# Allegro board Try it by yourself - iMX6Rex module - DIFF Pair activities.brd (continued)
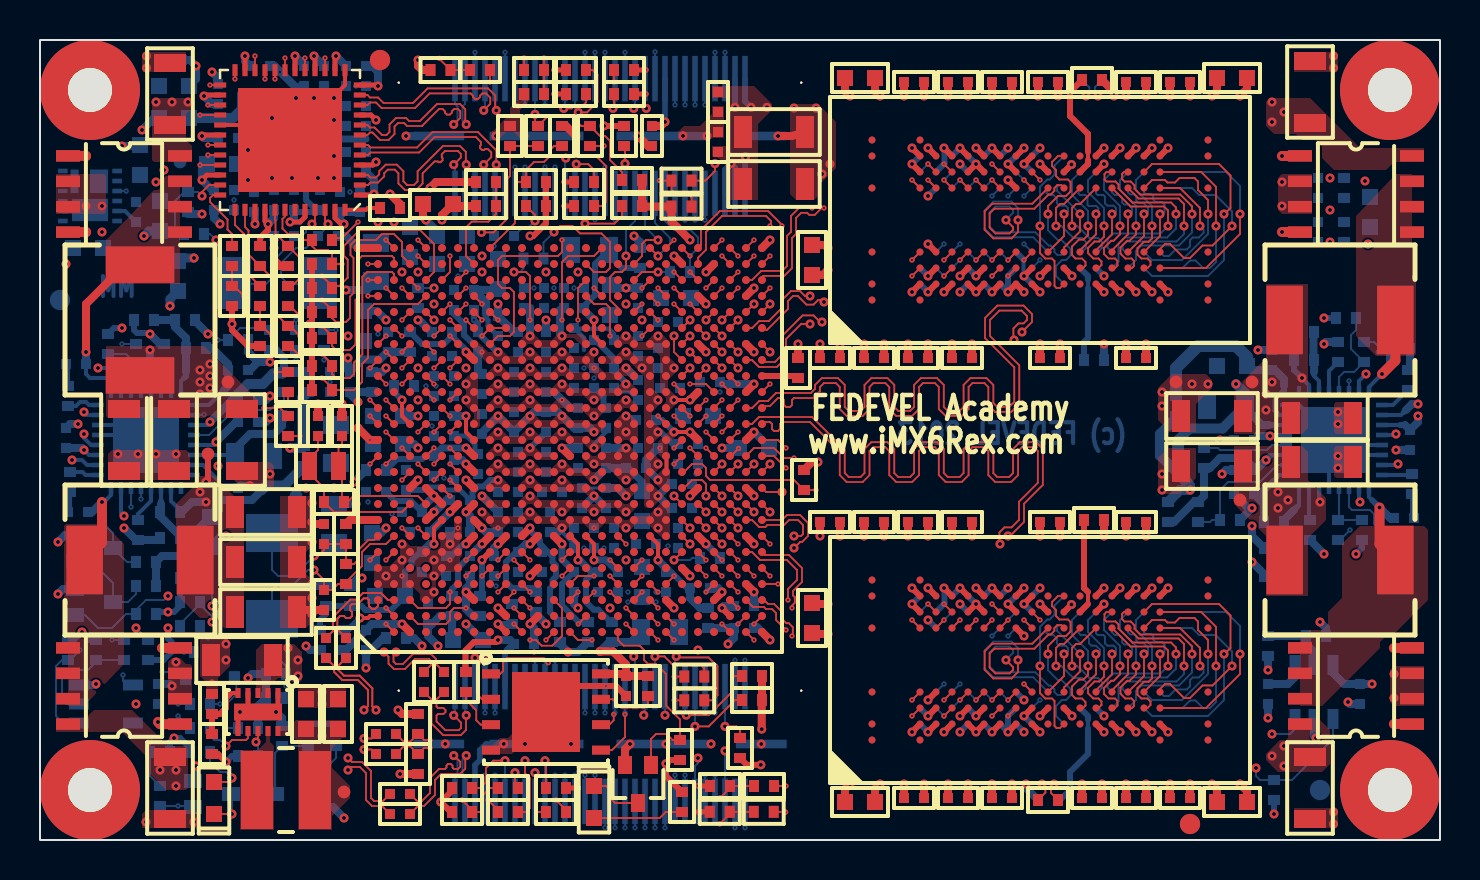
[diagram p0: board, top side]
## Footprints (pads in the part's own frame, mm; a bottom-side part is the same pattern mirrored in y, then rotated) (continued)
QFN48_7MMX7MM
  rect 0.6x0.25 smd: 1(-3.49,2.75) 2(-3.49,2.25) 3(-3.49,1.75) 4(-3.49,1.25) 5(-3.49,0.75) 6(-3.49,0.25) 7(-3.49,-0.25) 8(-3.49,-0.75) 9(-3.49,-1.25) 10(-3.49,-1.75) 11(-3.49,-2.25) 12(-3.49,-2.75) 25(3.49,-2.75) 26(3.49,-2.25) 27(3.49,-1.75) 28(3.49,-1.25) 29(3.49,-0.75) 30(3.49,-0.25) 31(3.49,0.25) 32(3.49,0.75) 33(3.49,1.25) 34(3.49,1.75) 35(3.49,2.25) 36(3.49,2.75)
  rect 0.25x0.6 smd: 13(-2.75,-3.49) 14(-2.25,-3.49) 15(-1.75,-3.49) 16(-1.25,-3.49) 17(-0.75,-3.49) 18(-0.25,-3.49) 19(0.25,-3.49) 20(0.75,-3.49) 21(1.25,-3.49) 22(1.75,-3.49) 23(2.25,-3.49) 24(2.75,-3.49) 37(2.75,3.49) 38(2.25,3.49) 39(1.75,3.49) 40(1.25,3.49) 41(0.75,3.49) 42(0.25,3.49) 43(-0.25,3.49) 44(-0.75,3.49) 45(-1.25,3.49) 46(-1.75,3.49) 47(-2.25,3.49) 48(-2.75,3.49)
  rect 5.2x5.2 smd: 49(0,0)
QSH-030-01-L-D-A
  rect 2.27x0.28 smd: 1(-2.87,7.25) 2(2.87,7.25) 3(-2.87,6.75) 4(2.87,6.75) 5(-2.87,6.25) 6(2.87,6.25) 7(-2.87,5.75) 8(2.87,5.75) 9(-2.87,5.25) 10(2.87,5.25) 11(-2.87,4.75) 12(2.87,4.75) 13(-2.87,4.25) 14(2.87,4.25) 15(-2.87,3.75) 16(2.87,3.75) 17(-2.87,3.25) 18(2.87,3.25) 19(-2.87,2.75) 20(2.87,2.75) 21(-2.87,2.25) 22(2.87,2.25) 23(-2.87,1.75) 24(2.87,1.75) 25(-2.87,1.25) 26(2.87,1.25) 27(-2.87,0.75) 28(2.87,0.75) 29(-2.87,0.25) 30(2.87,0.25) 31(-2.87,-0.25) 32(2.87,-0.25) 33(-2.87,-0.75) 34(2.87,-0.75) 35(-2.87,-1.25) 36(2.87,-1.25) 37(-2.87,-1.75) 38(2.87,-1.75) 39(-2.87,-2.25) 40(2.87,-2.25) 41(-2.87,-2.75) 42(2.87,-2.75) 43(-2.87,-3.25) 44(2.87,-3.25) 45(-2.87,-3.75) 46(2.87,-3.75) 47(-2.87,-4.25) 48(2.87,-4.25) 49(-2.87,-4.75) 50(2.87,-4.75) 51(-2.87,-5.25) 52(2.87,-5.25) 53(-2.87,-5.75) 54(2.87,-5.75) 55(-2.87,-6.25) 56(2.87,-6.25) 57(-2.87,-6.75) 58(2.87,-6.75) 59(-2.87,-7.25) 60(2.87,-7.25)
  rect 0.43x2.54 smd: 61(0,8.065) 64(0,-8.065)
  rect 0.43x4.7 smd: 62(0,3.175) 63(0,-3.175)
  round 0.105 hole 1.05: 65(2.67,10.065) 66(2.67,-10.065)
QSH-030-01-L-D-A_1
  rect 2.27x0.28 smd: 1(-2.87,7.25) 2(2.87,7.25) 3(-2.87,6.75) 4(2.87,6.75) 5(-2.87,6.25) 6(2.87,6.25) 7(-2.87,5.75) 8(2.87,5.75) 9(-2.87,5.25) 10(2.87,5.25) 11(-2.87,4.75) 12(2.87,4.75) 13(-2.87,4.25) 14(2.87,4.25) 15(-2.87,3.75) 16(2.87,3.75) 17(-2.87,3.25) 18(2.87,3.25) 19(-2.87,2.75) 20(2.87,2.75) 21(-2.87,2.25) 22(2.87,2.25) 23(-2.87,1.75) 24(2.87,1.75) 25(-2.87,1.25) 26(2.87,1.25) 27(-2.87,0.75) 28(2.87,0.75) 29(-2.87,0.25) 30(2.87,0.25) 31(-2.87,-0.25) 32(2.87,-0.25) 33(-2.87,-0.75) 34(2.87,-0.75) 35(-2.87,-1.25) 36(2.87,-1.25) 37(-2.87,-1.75) 38(2.87,-1.75) 39(-2.87,-2.25) 40(2.87,-2.25) 41(-2.87,-2.75) 42(2.87,-2.75) 43(-2.87,-3.25) 44(2.87,-3.25) 45(-2.87,-3.75) 46(2.87,-3.75) 47(-2.87,-4.25) 48(2.87,-4.25) 49(-2.87,-4.75) 50(2.87,-4.75) 51(-2.87,-5.25) 52(2.87,-5.25) 53(-2.87,-5.75) 54(2.87,-5.75) 55(-2.87,-6.25) 56(2.87,-6.25) 57(-2.87,-6.75) 58(2.87,-6.75) 59(-2.87,-7.25) 60(2.87,-7.25)
  rect 0.43x2.54 smd: 61(0,8.065) 64(0,-8.065)
  rect 0.43x4.7 smd: 62(0,3.175) 63(0,-3.175)
  round 0.105 hole 1.05: 65(2.67,10.065) 66(2.67,-10.065)
R0402
  rect 0.5x0.6 smd: 1(-0.5,0) 2(0.5,0)
R0402_1
  rect 0.5x0.6 smd: 1(-0.5,0) 2(0.5,0)
R0402_2
  rect 0.5x0.6 smd: 1(-0.5,0) 2(0.5,0)
R0402_3
  rect 0.5x0.6 smd: 1(-0.5,0) 2(0.5,0)
R0402_4
  rect 0.5x0.6 smd: 1(-0.5,0) 2(0.5,0)
R0402_5
  rect 0.5x0.6 smd: 1(-0.5,0) 2(0.5,0)
R0402_6
  rect 0.5x0.6 smd: 1(-0.5,0) 2(0.5,0)
R0402_7
  rect 0.5x0.6 smd: 1(-0.5,0) 2(0.5,0)
R0402_8
  rect 0.5x0.6 smd: 1(-0.5,0) 2(0.5,0)
R0402_9
  rect 0.5x0.6 smd: 1(-0.5,0) 2(0.5,0)
R0402_10
  rect 0.5x0.6 smd: 1(-0.5,0) 2(0.5,0)
R0402_11
  rect 0.5x0.6 smd: 1(-0.5,0) 2(0.5,0)
R0402_12
  rect 0.5x0.6 smd: 1(-0.5,0) 2(0.5,0)
R0402_13
  rect 0.5x0.6 smd: 1(-0.5,0) 2(0.5,0)
R0402_14
  rect 0.5x0.6 smd: 1(-0.5,0) 2(0.5,0)
R0402_15
  rect 0.5x0.6 smd: 1(-0.5,0) 2(0.5,0)
R0402_16
  rect 0.5x0.6 smd: 1(-0.5,0) 2(0.5,0)
R0402_17
  rect 0.5x0.6 smd: 1(-0.5,0) 2(0.5,0)
R0402_18
  rect 0.5x0.6 smd: 1(-0.5,0) 2(0.5,0)
R0402_19
  rect 0.5x0.6 smd: 1(-0.5,0) 2(0.5,0)
R0402_20
  rect 0.5x0.6 smd: 1(-0.5,0) 2(0.5,0)
R0402_21
  rect 0.5x0.6 smd: 1(-0.5,0) 2(0.5,0)
R0402_22
  rect 0.5x0.6 smd: 1(-0.5,0) 2(0.5,0)
R0402_23
  rect 0.5x0.6 smd: 1(-0.5,0) 2(0.5,0)
R0402_24
  rect 0.5x0.6 smd: 1(-0.5,0) 2(0.5,0)
R0402_25
  rect 0.5x0.6 smd: 1(-0.5,0) 2(0.5,0)
R0402_26
  rect 0.5x0.6 smd: 1(-0.5,0) 2(0.5,0)
R0402_27
  rect 0.5x0.6 smd: 1(-0.5,0) 2(0.5,0)
R0402_28
  rect 0.5x0.6 smd: 1(-0.5,0) 2(0.5,0)
R0402_29
  rect 0.5x0.6 smd: 1(-0.5,0) 2(0.5,0)
R0402_30
  rect 0.5x0.6 smd: 1(-0.5,0) 2(0.5,0)
R0402_31
  rect 0.5x0.6 smd: 1(-0.5,0) 2(0.5,0)
R0402_32
  rect 0.5x0.6 smd: 1(-0.5,0) 2(0.5,0)
R0402_33
  rect 0.5x0.6 smd: 1(-0.5,0) 2(0.5,0)
R0402_34
  rect 0.5x0.6 smd: 1(-0.5,0) 2(0.5,0)
R0402_35
  rect 0.5x0.6 smd: 1(-0.5,0) 2(0.5,0)
R0402_36
  rect 0.5x0.6 smd: 1(-0.5,0) 2(0.5,0)
R0402_37
  rect 0.5x0.6 smd: 1(-0.5,0) 2(0.5,0)
R0402_38
  rect 0.5x0.6 smd: 1(-0.5,0) 2(0.5,0)
R0402_39
  rect 0.5x0.6 smd: 1(-0.5,0) 2(0.5,0)
R0402_40
  rect 0.5x0.6 smd: 1(-0.5,0) 2(0.5,0)
R0402_41
  rect 0.5x0.6 smd: 1(-0.5,0) 2(0.5,0)
R0402_42
  rect 0.5x0.6 smd: 1(-0.5,0) 2(0.5,0)
R0402_43
  rect 0.5x0.6 smd: 1(-0.5,0) 2(0.5,0)
R0402_44
  rect 0.5x0.6 smd: 1(-0.5,0) 2(0.5,0)
R0402_45
  rect 0.5x0.6 smd: 1(-0.5,0) 2(0.5,0)
R0402_46
  rect 0.5x0.6 smd: 1(-0.5,0) 2(0.5,0)
R0402_47
  rect 0.5x0.6 smd: 1(-0.5,0) 2(0.5,0)
R0402_48
  rect 0.5x0.6 smd: 1(-0.5,0) 2(0.5,0)
R0402_49
  rect 0.5x0.6 smd: 1(-0.5,0) 2(0.5,0)
R0402_50
  rect 0.5x0.6 smd: 1(-0.5,0) 2(0.5,0)
R0402_51
  rect 0.5x0.6 smd: 1(-0.5,0) 2(0.5,0)
R0402_52
  rect 0.5x0.6 smd: 1(-0.5,0) 2(0.5,0)
R0402_53
  rect 0.5x0.6 smd: 1(-0.5,0) 2(0.5,0)
R0402_54
  rect 0.5x0.6 smd: 1(-0.5,0) 2(0.5,0)
R0402_55
  rect 0.5x0.6 smd: 1(-0.5,0) 2(0.5,0)
R0402_56
  rect 0.5x0.6 smd: 1(-0.5,0) 2(0.5,0)
R0402_57
  rect 0.5x0.6 smd: 1(-0.5,0) 2(0.5,0)
R0402_58
  rect 0.5x0.6 smd: 1(-0.5,0) 2(0.5,0)
R0402_59
  rect 0.5x0.6 smd: 1(-0.5,0) 2(0.5,0)
R0402_60
  rect 0.5x0.6 smd: 1(-0.5,0) 2(0.5,0)
R0402_61
  rect 0.5x0.6 smd: 1(-0.5,0) 2(0.5,0)
R0402_62
  rect 0.5x0.6 smd: 1(-0.5,0) 2(0.5,0)
R0402_63
  rect 0.5x0.6 smd: 1(-0.5,0) 2(0.5,0)
R0402_64
  rect 0.5x0.6 smd: 1(-0.5,0) 2(0.5,0)
R0402_65
  rect 0.5x0.6 smd: 1(-0.5,0) 2(0.5,0)
R0402_66
  rect 0.5x0.6 smd: 1(-0.5,0) 2(0.5,0)
R0402_67
  rect 0.5x0.6 smd: 1(-0.5,0) 2(0.5,0)
R0402_68
  rect 0.5x0.6 smd: 1(-0.5,0) 2(0.5,0)
R0402_69
  rect 0.5x0.6 smd: 1(-0.5,0) 2(0.5,0)
R0402_70
  rect 0.5x0.6 smd: 1(-0.5,0) 2(0.5,0)
R0402_71
  rect 0.5x0.6 smd: 1(-0.5,0) 2(0.5,0)
R0402_72
  rect 0.5x0.6 smd: 1(-0.5,0) 2(0.5,0)
R0402_73
  rect 0.5x0.6 smd: 1(-0.5,0) 2(0.5,0)
R0402_74
  rect 0.5x0.6 smd: 1(-0.5,0) 2(0.5,0)
R0402_75
  rect 0.5x0.6 smd: 1(-0.5,0) 2(0.5,0)
R0402_76
  rect 0.5x0.6 smd: 1(-0.5,0) 2(0.5,0)
R0402_77
  rect 0.5x0.6 smd: 1(-0.5,0) 2(0.5,0)
R0402_78
  rect 0.5x0.6 smd: 1(-0.5,0) 2(0.5,0)
R0402_79
  rect 0.5x0.6 smd: 1(-0.5,0) 2(0.5,0)
R0402_80
  rect 0.5x0.6 smd: 1(-0.5,0) 2(0.5,0)
R0402_81
  rect 0.5x0.6 smd: 1(-0.5,0) 2(0.5,0)
R0402_82
  rect 0.5x0.6 smd: 1(-0.5,0) 2(0.5,0)
R0402_83
  rect 0.5x0.6 smd: 1(-0.5,0) 2(0.5,0)
R0402_84
  rect 0.5x0.6 smd: 1(-0.5,0) 2(0.5,0)
R0402_85
  rect 0.5x0.6 smd: 1(-0.5,0) 2(0.5,0)
R0402_86
  rect 0.5x0.6 smd: 1(-0.5,0) 2(0.5,0)
R0402_87
  rect 0.5x0.6 smd: 1(-0.5,0) 2(0.5,0)
R0402_88
  rect 0.5x0.6 smd: 1(-0.5,0) 2(0.5,0)
R0402_89
  rect 0.5x0.6 smd: 1(-0.5,0) 2(0.5,0)
R0402_90
  rect 0.5x0.6 smd: 1(-0.5,0) 2(0.5,0)
R0402_91
  rect 0.5x0.6 smd: 1(-0.5,0) 2(0.5,0)
R0402_92
  rect 0.5x0.6 smd: 1(-0.5,0) 2(0.5,0)
R0402_93
  rect 0.5x0.6 smd: 1(-0.5,0) 2(0.5,0)
R0402_94
  rect 0.5x0.6 smd: 1(-0.5,0) 2(0.5,0)
R0402_95
  rect 0.5x0.6 smd: 1(-0.5,0) 2(0.5,0)
R0402_96
  rect 0.5x0.6 smd: 1(-0.5,0) 2(0.5,0)
R0402_97
  rect 0.5x0.6 smd: 1(-0.5,0) 2(0.5,0)
R0402_98
  rect 0.5x0.6 smd: 1(-0.5,0) 2(0.5,0)
R0402_99
  rect 0.5x0.6 smd: 1(-0.5,0) 2(0.5,0)
R0402_100
  rect 0.5x0.6 smd: 1(-0.5,0) 2(0.5,0)
R0402_101
  rect 0.5x0.6 smd: 1(-0.5,0) 2(0.5,0)
R0402_102
  rect 0.5x0.6 smd: 1(-0.5,0) 2(0.5,0)
R0402_103
  rect 0.5x0.6 smd: 1(-0.5,0) 2(0.5,0)
R0402_104
  rect 0.5x0.6 smd: 1(-0.5,0) 2(0.5,0)
R0402_105
  rect 0.5x0.6 smd: 1(-0.5,0) 2(0.5,0)
R0402_106
  rect 0.5x0.6 smd: 1(-0.5,0) 2(0.5,0)
R0402_107
  rect 0.5x0.6 smd: 1(-0.5,0) 2(0.5,0)
R0402_108
  rect 0.5x0.6 smd: 1(-0.5,0) 2(0.5,0)
R0402_109
  rect 0.5x0.6 smd: 1(-0.5,0) 2(0.5,0)
R0402_110
  rect 0.5x0.6 smd: 1(-0.5,0) 2(0.5,0)
R0402_111
  rect 0.5x0.6 smd: 1(-0.5,0) 2(0.5,0)
R0402_112
  rect 0.5x0.6 smd: 1(-0.5,0) 2(0.5,0)
R0402_113
  rect 0.5x0.6 smd: 1(-0.5,0) 2(0.5,0)
R0402_114
  rect 0.5x0.6 smd: 1(-0.5,0) 2(0.5,0)
R0402_115
  rect 0.5x0.6 smd: 1(-0.5,0) 2(0.5,0)
R0402_116
  rect 0.5x0.6 smd: 1(-0.5,0) 2(0.5,0)
R0402_117
  rect 0.5x0.6 smd: 1(-0.5,0) 2(0.5,0)
R0402_118
  rect 0.5x0.6 smd: 1(-0.5,0) 2(0.5,0)
R0402_119
  rect 0.5x0.6 smd: 1(-0.5,0) 2(0.5,0)
R0402_120
  rect 0.5x0.6 smd: 1(-0.5,0) 2(0.5,0)
R0402_121
  rect 0.5x0.6 smd: 1(-0.5,0) 2(0.5,0)
R0402_122
  rect 0.5x0.6 smd: 1(-0.5,0) 2(0.5,0)
R0402_123
  rect 0.5x0.6 smd: 1(-0.5,0) 2(0.5,0)
R0402_124
  rect 0.5x0.6 smd: 1(-0.5,0) 2(0.5,0)
R0402_125
  rect 0.5x0.6 smd: 1(-0.5,0) 2(0.5,0)
R0402_126
  rect 0.5x0.6 smd: 1(-0.5,0) 2(0.5,0)
R0402_127
  rect 0.5x0.6 smd: 1(-0.5,0) 2(0.5,0)
R0402_128
  rect 0.5x0.6 smd: 1(-0.5,0) 2(0.5,0)
R0402_129
  rect 0.5x0.6 smd: 1(-0.5,0) 2(0.5,0)
R0402_130
  rect 0.5x0.6 smd: 1(-0.5,0) 2(0.5,0)
R0402_131
  rect 0.5x0.6 smd: 1(-0.5,0) 2(0.5,0)
R0402_132
  rect 0.5x0.6 smd: 1(-0.5,0) 2(0.5,0)
R0402_133
  rect 0.5x0.6 smd: 1(-0.5,0) 2(0.5,0)
R0402_134
  rect 0.5x0.6 smd: 1(-0.5,0) 2(0.5,0)
R0402_135
  rect 0.5x0.6 smd: 1(-0.5,0) 2(0.5,0)
R0402_136
  rect 0.5x0.6 smd: 1(-0.5,0) 2(0.5,0)
R0402_137
  rect 0.5x0.6 smd: 1(-0.5,0) 2(0.5,0)
R0402_138
  rect 0.5x0.6 smd: 1(-0.5,0) 2(0.5,0)
R0402_139
  rect 0.5x0.6 smd: 1(-0.5,0) 2(0.5,0)
R0402_140
  rect 0.5x0.6 smd: 1(-0.5,0) 2(0.5,0)
R0402_141
  rect 0.5x0.6 smd: 1(-0.5,0) 2(0.5,0)
R0402_142
  rect 0.5x0.6 smd: 1(-0.5,0) 2(0.5,0)
R0402_143
  rect 0.5x0.6 smd: 1(-0.5,0) 2(0.5,0)
R0402_144
  rect 0.5x0.6 smd: 1(-0.5,0) 2(0.5,0)
R0402_145
  rect 0.5x0.6 smd: 1(-0.5,0) 2(0.5,0)
R0402_146
  rect 0.5x0.6 smd: 1(-0.5,0) 2(0.5,0)
R0402_147
  rect 0.5x0.6 smd: 1(-0.5,0) 2(0.5,0)
R0402_148
  rect 0.5x0.6 smd: 1(-0.5,0) 2(0.5,0)
R0402_149
  rect 0.5x0.6 smd: 1(-0.5,0) 2(0.5,0)
R0402_150
  rect 0.5x0.6 smd: 1(-0.5,0) 2(0.5,0)
R0402_151
  rect 0.5x0.6 smd: 1(-0.5,0) 2(0.5,0)
R0402_152
  rect 0.5x0.6 smd: 1(-0.5,0) 2(0.5,0)
R0402_153
  rect 0.5x0.6 smd: 1(-0.5,0) 2(0.5,0)
R0402_154
  rect 0.5x0.6 smd: 1(-0.5,0) 2(0.5,0)
R0402_155
  rect 0.5x0.6 smd: 1(-0.5,0) 2(0.5,0)
R0402_156
  rect 0.5x0.6 smd: 1(-0.5,0) 2(0.5,0)
R0402_157
  rect 0.5x0.6 smd: 1(-0.5,0) 2(0.5,0)
R0402_158
  rect 0.5x0.6 smd: 1(-0.5,0) 2(0.5,0)
R0402_159
  rect 0.5x0.6 smd: 1(-0.5,0) 2(0.5,0)
R0402_160
  rect 0.5x0.6 smd: 1(-0.5,0) 2(0.5,0)
R0402_161
  rect 0.5x0.6 smd: 1(-0.5,0) 2(0.5,0)
R0402_162
  rect 0.5x0.6 smd: 1(-0.5,0) 2(0.5,0)
R0402_163
  rect 0.5x0.6 smd: 1(-0.5,0) 2(0.5,0)
R0402_164
  rect 0.5x0.6 smd: 1(-0.5,0) 2(0.5,0)
SC70_SOT323
  rect 0.9x0.7 smd: 1(-0.95,0.65) 2(-0.95,-0.65) 3(0.95,0)
SC70_SOT323_1
  rect 0.9x0.7 smd: 1(-0.95,0.65) 2(-0.95,-0.65) 3(0.95,0)
SC70_SOT323_2
  rect 0.9x0.7 smd: 1(-0.95,0.65) 2(-0.95,-0.65) 3(0.95,0)
SC70_SOT323_3
  rect 0.9x0.7 smd: 1(-0.95,0.65) 2(-0.95,-0.65) 3(0.95,0)
SC70_SOT323_4
  rect 0.9x0.7 smd: 1(-0.95,0.65) 2(-0.95,-0.65) 3(0.95,0)
SOD323
  rect 0.559x0.686 smd: 1(-1.219,0) 2(1.219,0)
TP_25C
  round 0.635 smd: 1(0,0)
TP_25C_1
  round 0.635 smd: 1(0,0)
TP_25C_2
  round 0.635 smd: 1(0,0)
TP_25C_3
  round 0.635 smd: 1(0,0)
TP_25C_4
  round 0.635 smd: 1(0,0)
TP_25C_5
  round 0.635 smd: 1(0,0)
TP_25C_6
  round 0.635 smd: 1(0,0)
TP_25C_7
  round 0.635 smd: 1(0,0)
VLCF4020
  rect 1.6x3.9 smd: 1(-1.45,0) 2(1.45,0)
WSON8_6X5MM
  rect 0.9x0.45 smd: 1(-2.75,1.905) 2(-2.75,0.635) 3(-2.75,-0.635) 4(-2.75,-1.905) 5(2.75,-1.905) 6(2.75,-0.635) 7(2.75,0.635) 8(2.75,1.905)
  rect 3.4x4 smd: 9(0,0)

## Nets
+1V1_NVCC_PLL_OUT: C150.1 C151.1 R77.2 R79.2 R105.1 U1.E8
+1V1_VDDSOC_CAP: C78.1 C112.1 C113.1 C114.1 C115.1 C116.1 C117.1 C118.1 C138.1 C246.1 FB1.1 R13.1 R18.1 R23.1 U1.N12 U1.R10 U1.T10 U1.T13 U1.T14 U1.U10 U1.U13 U1.U14
+1V2_ETH: C178.1 C179.1 FB3.1 FB4.1 FB5.1 FB8.1 R105.2 TP5.1 U9.7 U9.8 U9.10 U9.15
+1V2_ETH_AVDDL: C186.1 C187.1 C188.1 C189.1 FB4.2 U8.4 U8.9
+1V2_ETH_AVDDL_PLL: C191.1 C192.1 C193.1 FB5.2 U8.44
+1V2_ETH_DVDDL: C180.1 C181.1 C182.1 C183.1 C184.1 C185.1 C248.1 C249.1 FB3.2 U8.14 U8.18 U8.23 U8.26 U8.30 U8.39
+1V2_VDD_ARM_CAP: C97.1 C98.1 C99.1 C100.1 C101.1 C102.1 C103.1 C104.1 C105.1 C106.1 U1.H11 U1.H13 U1.J11 U1.J13 U1.K11 U1.K13 U1.L11 U1.L13 U1.M11 U1.M13 U1.N11 U1.N13 U1.P11 U1.P13 U1.R11 U1.R13
+1V5_DDR: C12.1 C13.1 C14.1 C15.1 C16.1 C17.1 C18.1 C19.1 C21.1 C22.1 C23.1 C24.1 C25.1 C26.1 C27.1 C28.1 C29.1 C30.1 C31.1 C32.1 C33.1 C34.1 C35.1 C36.1 C37.1 C38.1 C39.1 C40.1 C41.1 C42.1 C43.1 C44.1 C45.1 C46.1 C47.1 C48.1 C49.1 C50.1 C51.1 C52.1 C53.1 C54.1 C55.1 C56.1 C57.1 C58.1 C59.1 C60.1 C157.1 C158.1 C159.1 C160.1 C161.1 C162.1 C167.1 C168.1 C169.1 C170.1 C171.1 C172.1 C173.1 C235.1 C236.1 L5.2 R11.2 R59.2 TP9.1 U1.R18 U1.T18 U1.U18 U1.V9 U1.V10 U1.V11 U1.V12 U1.V13 U1.V14 U1.V15 U1.V16 U1.V17 U1.V18 U2.A1 U2.A8 U2.B2 U2.C1 U2.C9 U2.D2 U2.D9 U2.E9 U2.F1 U2.G7 U2.H2 U2.H9 U2.K2 U2.K8 U2.N1 U2.N9 U2.R1 U2.R9 U3.A1 U3.A8 U3.B2 U3.C1 U3.C9 U3.D2 U3.D9 U3.E9 U3.F1 U3.G7 U3.H2 U3.H9 U3.K2 U3.K8 U3.N1 U3.N9 U3.R1 U3.R9 U4.A1 U4.A8 U4.B2 U4.C1 U4.C9 U4.D2 U4.D9 U4.E9 U4.F1 U4.G7 U4.H2 U4.H9 U4.K2 U4.K8 U4.N1 U4.N9 U4.R1 U4.R9 U5.A1 U5.A8 U5.B2 U5.C1 U5.C9 U5.D2 U5.D9 U5.E9 U5.F1 U5.G7 U5.H2 U5.H9 U5.K2 U5.K8 U5.N1 U5.N9 U5.R1 U5.R9 U13.30
+1V375: C90.1 C91.1 C92.1 C93.1 C94.1 C95.1 C96.1 C107.1 C108.1 C109.1 C110.1 C111.1 C216.1 C217.1 C232.1 FB2.2 FB8.2 L2.2 R77.1 TP7.1 U1.H14 U1.J14 U1.K9 U1.K14 U1.L9 U1.L14 U1.M9 U1.M14 U1.N9 U1.N14 U1.P9 U1.P14 U1.R9 U1.R14 U1.T9 U1.U9 U11.30
+1V375_VDDSOC_IN: C119.1 C120.1 C121.1 C122.1 C123.1 C124.1 C125.1 C126.1 C127.1 C128.1 C129.1 FB2.1 U1.H16 U1.J16 U1.K16 U1.L16 U1.M16 U1.N16 U1.P16 U1.R16 U1.T16 U1.U16
+2V5: C153.1 C233.1 C234.1 C244.1 C245.1 C247.1 FB6.1 L4.1 R14.1 R19.1 R27.1 R34.1 R74.2 R78.2 R80.2 R147.2 TP8.1 U13.10
+2V5_ETH_DVDDH: C194.1 C195.1 C196.1 C197.1 C198.1 FB6.2 R75.2 R87.2 R89.2 R91.2 R94.2 R95.2 R96.2 R97.2 R98.2 R162.2 U8.16 U8.34 U8.40
+2V5_VDDHIGH_VPH: C139.2 C140.1 C141.1 U1.H10 U1.J10
+3V0_ALWAYS: C87.1 C136.1 C137.1 C142.1 C221.1 C222.1 L3.2 R48.2 R55.2 R60.2 R73.2 R103.2 R104.2 R106.2 R130.2 R138.2 R153.2 R154.2 R165.2 TP11.1 U1.G11 U1.H9 U1.J9 U6.6 U12.10
+3V3: C1.1 C89.1 C144.1 C146.1 C147.1 C148.1 C154.1 C163.1 C164.1 C165.1 C166.1 C174.1 C177.1 C203.1 C213.1 C214.1 C215.1 FB7.1 J2.50 L1.1 R21.2 R22.2 R28.2 R29.2 R31.2 R32.2 R33.2 R38.2 R39.2 R40.2 R41.2 R42.2 R43.2 R44.2 R45.2 R46.2 R47.2 R49.2 R62.2 R63.2 R64.2 R68.2 R69.2 R76.2 R100.2 R109.1 R110.2 R111.2 R113.2 R114.2 R115.2 R123.2 R129.2 R137.2 TP6.1 U1.G14 U1.G15 U1.G16 U1.G17 U1.J7 U1.K19 U1.L19 U1.M19 U1.P7 U1.P19 U7.5 U9.1 U10.8 U11.10
+3V3_ETH_AVDDH: C190.1 C199.1 C200.1 C201.1 C202.1 FB7.2 U8.1 U8.12 U8.47
+5V_LDO1: C204.1 C205.1 R116.2 R131.2 R132.2 U11.7
+5V_LDO2: C223.1 C224.1 R140.2 U13.7
+5V_PVCC1: C206.1 R116.1 R117.2 R118.1 U11.19
+5V_PVCC2: C225.1 R140.1 R141.2 R142.1 U13.19
+5V_USB_VBUS: C79.1 C82.1 C242.1 J1.18 U1.D10 U1.E9
+5V_VCC1: C207.1 R118.2 R127.2 R128.2 U11.3 U11.20
+5V_VCC2: C226.1 R142.2 R151.2 R152.2 U13.3 U13.20
+VDD_SNVS_CAP: C143.1 U1.G9
+VDDPU: C130.1 C131.1 C132.1 C133.1 C134.1 C135.1 U1.H17 U1.J17 U1.K17 U1.L17 U1.M17 U1.N17 U1.P17
+VDDUSB: C80.1 C81.1 U1.F9
+VIN: C2.1 C208.1 C209.1 C210.1 C220.1 C227.1 C228.1 C229.1 C239.1 C240.1 C241.1 J1.1 J1.2 J1.3 J1.4 J1.5 Q3.8 Q4.8 Q6.8 Q7.8 R117.1 R141.1 U11.6 U12.2 U12.3 U13.6
GND: C1.2 C2.2 C3.2 C4.2 C5.2 C6.2 C7.2 C8.2 C9.2 C10.2 C11.2 C12.2 C13.2 C14.2 C15.2 C16.2 C17.2 C19.2 C20.2 C21.2 C22.2 C23.2 C24.2 C25.2 C26.2 C27.2 C28.2 C29.2 C30.2 C31.2 C32.2 C33.2 C34.2 C35.2 C36.2 C37.2 C38.2 C39.2 C40.2 C41.2 C42.2 C43.2 C44.2 C45.2 C46.2 C47.2 C48.2 C49.2 C50.2 C51.2 C52.2 C53.2 C54.2 C55.2 C56.2 C57.2 C58.2 C59.2 C60.2 C61.2 C62.2 C64.2 C68.2 C73.2 C74.1 C75.2 C76.2 C77.2 C78.2 C79.2 C80.2 C81.2 C82.2 C83.2 C84.2 C85.2 C86.2 C87.2 C88.2 C89.2 C90.2 C91.2 C92.2 C93.2 C94.2 C95.2 C96.2 C97.2 C98.2 C99.2 C100.2 C101.2 C102.2 C103.2 C104.2 C105.2 C106.2 C107.2 C108.2 C109.2 C110.2 C111.2 C112.2 C113.2 C114.2 C115.2 C116.2 C117.2 C118.2 C119.2 C120.2 C121.2 C122.2 C123.2 C124.2 C125.2 C126.2 C127.2 C128.2 C129.2 C130.2 C131.2 C132.2 C133.2 C134.2 C135.2 C136.2 C137.2 C138.2 C139.1 C140.2 C141.2 C142.2 C143.2 C144.2 C145.2 C146.2 C147.2 C148.2 C149.2 C150.2 C151.2 C152.2 C153.2 C154.2 C155.2 C156.2 C157.2 C158.2 C159.2 C160.2 C161.2 C162.2 C163.2 C164.2 C165.2 C166.2 C167.2 C168.2 C169.2 C170.2 C171.2 C172.2 C173.2 C174.2 C175.2 C176.2 C177.2 C178.2 C180.2 C181.2 C182.2 C183.2 C184.2 C185.2 C186.2 C187.2 C188.2 C189.2 C190.2 C191.2 C192.2 C193.2 C194.2 C195.2 C196.2 C197.2 C198.2 C199.2 C200.2 C201.2 C202.2 C203.2 C204.2 C205.2 C206.2 C207.2 C208.2 C209.2 C210.2 C213.2 C214.2 C215.2 C216.2 C217.2 C218.2 C219.2 C220.2 C221.2 C222.2 C223.2 C224.2 C225.2 C226.2 C227.2 C228.2 C229.2 C232.2 C233.2 C234.2 C235.2 C236.2 C237.2 C238.2 C239.2 C240.2 C241.2 C242.2 C243.2 C244.2 C245.2 C246.2 C247.2 C248.2 C249.2 J1.61 J1.62 J1.63 J1.64 J2.55 J2.56 J2.61 J2.62 J2.63 J2.64 MH1.1 MH2.1 MH3.1 MH4.1 Q1.2 Q2.2 Q3.2 Q3.3 Q4.2 Q4.3 Q5.2 Q6.2 Q6.3 Q7.2 Q7.3 Q8.2 Q9.2 R4.1 R5.1 R6.1 R7.1 R8.1 R9.1 R10.2 R12.1 R15.1 R16.1 R17.1 R20.1 R26.1 R30.1 R37.2 R56.1 R57.1 R58.1 R61.1 R67.1 R79.1 R84.2 R99.1 R101.1 R102.1 R124.2 R125.1 R126.1 R133.1 R136.1 R139.1 R143.1 R144.1 R148.2 R149.1 R150.1 R155.1 R158.1 TP10.1 U1.A4 U1.A5 U1.A8 U1.A13 U1.A25 U1.AA7 U1.AA10 U1.AA13 U1.AA16 U1.AA19 U1.AA22 U1.AB3 U1.AB24 U1.AD4 U1.AD7 U1.AD10 U1.AD13 U1.AD16 U1.AD19 U1.AD22 U1.AE1 U1.AE25 U1.B4 U1.B5 U1.C1 U1.C4 U1.C6 U1.C10 U1.D3 U1.D6 U1.D8 U1.E5 U1.E6 U1.E7 U1.F5 U1.F6 U1.F7 U1.F8 U1.G3 U1.G10 U1.G19 U1.H8 U1.H12 U1.H15 U1.H18 U1.J2 U1.J8 U1.J12 U1.J15 U1.J18 U1.K8 U1.K10 U1.K12 U1.K15 U1.K18 U1.L2 U1.L5 U1.L8 U1.L10 U1.L12 U1.L15 U1.L18 U1.M8 U1.M10 U1.M12 U1.M15 U1.M18 U1.N8 U1.N10 U1.N15 U1.N18 U1.P8 U1.P10 U1.P12 U1.P15 U1.P18 U1.R8 U1.R12 U1.R15 U1.R17 U1.T8 U1.T11 U1.T12 U1.T15 U1.T17 U1.T19 U1.U8 U1.U11 U1.U12 U1.U15 U1.U17 U1.U19 U1.V8 U1.V19 U1.W3 U1.W7 U1.W8 U1.W9 U1.W10 U1.W11 U1.W12 U1.W13 U1.W15 U1.W16 U1.W17 U1.W18 U1.W19 U1.Y5 U1.Y24 U2.A9 U2.B1 U2.B3 U2.B9 U2.D1 U2.D8 U2.E1 U2.E2 U2.E8 U2.F9 U2.G1 U2.G8 U2.G9 U2.J2 U2.J8 U2.M1 U2.M9 U2.P1 U2.P9 U2.T1 U2.T9 U3.A9 U3.B1 U3.B3 U3.B9 U3.D1 U3.D8 U3.E1 U3.E2 U3.E8 U3.F9 U3.G1 U3.G8 U3.G9 U3.J2 U3.J8 U3.M1 U3.M9 U3.P1 U3.P9 U3.T1 U3.T9 U4.A9 U4.B1 U4.B3 U4.B9 U4.D1 U4.D8 U4.E1 U4.E2 U4.E8 U4.F9 U4.G1 U4.G8 U4.G9 U4.J2 U4.J8 U4.M1 U4.M9 U4.P1 U4.P9 U4.T1 U4.T9 U5.A9 U5.B1 U5.B3 U5.B9 U5.D1 U5.D8 U5.E1 U5.E2 U5.E8 U5.F9 U5.G1 U5.G8 U5.G9 U5.J2 U5.J8 U5.M1 U5.M9 U5.P1 U5.P9 U5.T1 U5.T9 U6.2 U7.3 U8.13 U8.29 U8.49 U9.2 U9.12 U9.13 U10.4 U10.9 U11.8 U11.21 U11.22 U11.29 U11.33 U12.1 U12.4 U12.6 U12.11 U13.8 U13.21 U13.22 U13.29 U13.33
+DDR_VREF: C3.1 C4.1 C5.1 C6.1 C7.1 C8.1 C9.1 C10.1 C11.1 C18.2 C20.1 R11.1 R12.2 U1.AC2 U2.H1 U2.M8 U3.H1 U3.M8 U4.H1 U4.M8 U5.H1 U5.M8
+HDMI_VP: C75.1 R23.2 U1.L7
+HDMI_VPH: C76.1 R27.2 U1.M7
+LVDS_2V5: C77.1 C243.1 R34.2 U1.V7
+NVCC_CSI: C145.1 R76.1 U1.N7
+NVCC_ENET: C155.1 C156.1 R74.1 U1.R19
+NVCC_MIPI: C149.1 R78.1 U1.K7
+NVCC_RGMII: C152.1 R80.1 U1.G18
+PCIE_VP: C61.1 R13.2 U1.H7
+PCIE_VPH: C64.1 R14.2 U1.G7
+PCIE_VPTX: C62.1 FB1.2 U1.G8
+SATA_VP: C68.1 R18.2 U1.G13
+SATA_VPH: C73.1 R19.2 U1.G12
+VREF1_2V_1V5: C238.1 R135.2 U13.1
+VREF1_2V_1V375: C219.1 R120.1 U11.1
+VREF1_3V3_1V5: C237.1 R134.2 U13.5
+VREF1_3V3_1V375: C218.1 R119.2 U11.5
AUD3_CLK: J2.20 R160.2
AUD3_CLK_R: R160.1 U1.T5
AUD3_RXD: J2.22 U1.N3
AUD3_TXC: J2.16 R72.2
AUD3_TXC_R: R72.1 U1.N1
AUD3_TXD: J2.18 U1.P2
AUD3_TXFS: J2.24 U1.N4
BOARD_VARIANT_0: R111.1 R143.2 U1.G24
BOARD_VARIANT_1: R137.1 R144.2 U1.H25
BOOT_MODE: J1.50 Q9.1 R165.1
BOOT_MODE0: Q9.3 R58.2 R104.1 U1.C12
BOOT_MODE1: R57.2 R103.1 U1.F12
CFF: C179.2 U9.11
CLK1_C_N: C66.1 U1.C7
CLK1_C_P: C67.1 U1.D7
CLK1_N: C66.2 J2.46 R17.2
CLK1_P: C67.2 J2.48 R16.2
CPU_XTALI: C83.1 R37.1 R53.1 U1.A7 Y1.1
CPU_XTALO: C84.1 R53.2 U1.B7 Y1.2
CSPI2_CLK: J1.17 R159.2
CSPI2_CLK_R: R159.1 U1.U23
CSPI2_CS0: J1.19 U1.V25
CSPI2_MISO: J1.21 U1.U24
CSPI2_MOSI: J1.23 U1.T21
CSPI3_CLK: R112.2 U10.6
CSPI3_CLK_R: R112.1 U1.P24
CSPI3_CS2: U1.R25 U10.1
CSPI3_MISO: U1.P23 U10.2
CSPI3_MOSI: U1.P22 U10.5
DRAM0_ZQ: R4.2 U2.L8
DRAM1_ZQ: R5.2 U3.L8
DRAM2_ZQ: R8.2 U4.L8
DRAM3_ZQ: R9.2 U5.L8
DRAM_A0: U1.AC14 U2.N3 U3.N3 U4.N3 U5.N3
DRAM_A1: U1.AB14 U2.P7 U3.P7 U4.P7 U5.P7
DRAM_A2: U1.AA14 U2.P3 U3.P3 U4.P3 U5.P3
DRAM_A3: U1.Y14 U2.N2 U3.N2 U4.N2 U5.N2
DRAM_A4: U1.W14 U2.P8 U3.P8 U4.P8 U5.P8
DRAM_A5: U1.AE13 U2.P2 U3.P2 U4.P2 U5.P2
DRAM_A6: U1.AC13 U2.R8 U3.R8 U4.R8 U5.R8
DRAM_A7: U1.Y13 U2.R2 U3.R2 U4.R2 U5.R2
DRAM_A8: U1.AB13 U2.T8 U3.T8 U4.T8 U5.T8
DRAM_A9: U1.AE12 U2.R3 U3.R3 U4.R3 U5.R3
DRAM_A10: U1.AA15 U2.L7 U3.L7 U4.L7 U5.L7
DRAM_A11: U1.AC12 U2.R7 U3.R7 U4.R7 U5.R7
DRAM_A12: U1.AD12 U2.N7 U3.N7 U4.N7 U5.N7
DRAM_A13: U1.AC17 U2.T3 U3.T3 U4.T3 U5.T3
DRAM_A14: U1.AA12 U2.T7 U3.T7 U4.T7 U5.T7
DRAM_A15: U1.Y12 U2.M7 U3.M7 U4.M7 U5.M7
DRAM_CAS_B: U1.AE16 U2.K3 U3.K3 U4.K3 U5.K3
DRAM_CLK0_N: R2.1 U1.AE15 U4.K7 U5.K7
DRAM_CLK0_P: R2.2 U1.AD15 U4.J7 U5.J7
DRAM_CLK1_N: R3.1 U1.AE14 U2.K7 U3.K7
DRAM_CLK1_P: R3.2 U1.AD14 U2.J7 U3.J7
DRAM_CS0_B: U1.Y16 U2.L2 U3.L2 U4.L2 U5.L2
DRAM_D0: U1.AD2 U2.D7
DRAM_D1: U1.AE2 U2.B8
DRAM_D2: U1.AC4 U2.C8
DRAM_D3: U1.AA5 U2.A3
DRAM_D4: U1.AC1 U2.C2
DRAM_D5: U1.AD1 U2.C3
DRAM_D6: U1.AB4 U2.A2
DRAM_D7: U1.AE4 U2.A7
DRAM_D8: U1.AD5 U2.E3
DRAM_D9: U1.AE5 U2.F7
DRAM_D10: U1.AA6 U2.G2
DRAM_D11: U1.AE7 U2.H7
DRAM_D12: U1.AB5 U2.H3
DRAM_D13: U1.AC5 U2.F2
DRAM_D14: U1.AB6 U2.F8
DRAM_D15: U1.AC7 U2.H8
DRAM_D16: U1.AB7 U3.E3
DRAM_D17: U1.AA8 U3.F8
DRAM_D18: U1.AB9 U3.H7
DRAM_D19: U1.Y9 U3.H3
DRAM_D20: U1.Y7 U3.H8
DRAM_D21: U1.Y8 U3.G2
DRAM_D22: U1.AC8 U3.F7
DRAM_D23: U1.AA9 U3.F2
DRAM_D24: U1.AE9 U3.D7
DRAM_D25: U1.Y10 U3.A7
DRAM_D26: U1.AE11 U3.C3
DRAM_D27: U1.AB11 U3.C2
DRAM_D28: U1.AC9 U3.C8
DRAM_D29: U1.AD9 U3.B8
DRAM_D30: U1.AD11 U3.A2
DRAM_D31: U1.AC11 U3.A3
DRAM_D32: U1.AA17 U5.E3
DRAM_D33: U1.AA18 U5.G2
DRAM_D34: U1.AC18 U5.F8
DRAM_D35: U1.AE19 U5.H7
DRAM_D36: U1.Y17 U5.H3
DRAM_D37: U1.Y18 U5.F2
DRAM_D38: U1.AB19 U5.H8
DRAM_D39: U1.AC19 U5.F7
DRAM_D40: U1.Y19 U5.D7
DRAM_D41: U1.AB20 U5.B8
DRAM_D42: U1.AB21 U5.C2
DRAM_D43: U1.AD21 U5.A7
DRAM_D44: U1.Y20 U5.A2
DRAM_D45: U1.AA20 U5.C8
DRAM_D46: U1.AE21 U5.A3
DRAM_D47: U1.AC21 U5.C3
DRAM_D48: U1.AC22 U4.D7
DRAM_D49: U1.AE22 U4.C2
DRAM_D50: U1.AE24 U4.C3
DRAM_D51: U1.AC24 U4.B8
DRAM_D52: U1.AB22 U4.A7
DRAM_D53: U1.AC23 U4.C8
DRAM_D54: U1.AD25 U4.A3
DRAM_D55: U1.AC25 U4.A2
DRAM_D56: U1.AB25 U4.E3
DRAM_D57: U1.AA21 U4.G2
DRAM_D58: U1.Y25 U4.H7
DRAM_D59: U1.Y22 U4.F7
DRAM_D60: U1.AB23 U4.H3
DRAM_D61: U1.AA23 U4.F2
DRAM_D62: U1.Y23 U4.F8
DRAM_D63: U1.W25 U4.H8
DRAM_DQM0: U1.AC3 U2.D3
DRAM_DQM1: U1.AC6 U2.E7
DRAM_DQM2: U1.AB8 U3.E7
DRAM_DQM3: U1.AE10 U3.D3
DRAM_DQM4: U1.AB18 U5.E7
DRAM_DQM5: U1.AC20 U5.D3
DRAM_DQM6: U1.AD24 U4.D3
DRAM_DQM7: U1.Y21 U4.E7
DRAM_DQS0_N: U1.AD3 U2.B7
DRAM_DQS0_P: U1.AE3 U2.C7
DRAM_DQS1_N: U1.AE6 U2.G3
DRAM_DQS1_P: U1.AD6 U2.F3
DRAM_DQS2_N: U1.AE8 U3.G3
DRAM_DQS2_P: U1.AD8 U3.F3
DRAM_DQS3_N: U1.AB10 U3.B7
DRAM_DQS3_P: U1.AC10 U3.C7
DRAM_DQS4_N: U1.AE18 U5.G3
DRAM_DQS4_P: U1.AD18 U5.F3
DRAM_DQS5_N: U1.AE20 U5.B7
DRAM_DQS5_P: U1.AD20 U5.C7
DRAM_DQS6_N: U1.AE23 U4.B7
DRAM_DQS6_P: U1.AD23 U4.C7
DRAM_DQS7_N: U1.AA24 U4.G3
DRAM_DQS7_P: U1.AA25 U4.F3
DRAM_RAS_B: U1.AB15 U2.J3 U3.J3 U4.J3 U5.J3
DRAM_RESET_B: R7.2 U1.Y6 U2.T2 U3.T2 U4.T2 U5.T2
DRAM_SDBA0: U1.AC15 U2.M2 U3.M2 U4.M2 U5.M2
DRAM_SDBA1: U1.Y15 U2.N8 U3.N8 U4.N8 U5.N8
DRAM_SDBA2: U1.AB12 U2.M3 U3.M3 U4.M3 U5.M3
DRAM_SDCKE0: R6.2 U1.Y11 U2.K9 U3.K9 U4.K9 U5.K9
DRAM_SDODT0: U1.AC16 U2.K1 U3.K1 U4.K1 U5.K1
DRAM_WE_B: U1.AB16 U2.L3 U3.L3 U4.L3 U5.L3
EN_1V375: Q5.3 R93.2 R132.1 U11.27
ENET_LED_LINK: J1.56 R81.2
ENET_LED_RX: J1.55 R82.2
ENET_REF_CLK: R36.2 U1.V22
ENET_REF_CLK_R: R36.1 R99.2 U8.41
ETH_ISET: R84.1 U8.48
ETH_OSCI_25MHZ: C175.1 U8.46 Y3.2
ETH_OSCO_25MHZ: C176.1 U8.45 Y3.1
FB1_2V5: R147.1 R150.2 U13.11
FB1_3V3: R123.1 R126.2 U11.11
FB_3V0_SNVS: R138.1 R139.2 U12.5
HDMI_CEC: R25.1 U1.W4
HDMI_CEC_IN: J1.44 R22.1 R24.2 R25.2
HDMI_CLK_N: J1.45 U1.J5
HDMI_CLK_P: J1.47 U1.J6
HDMI_D0_N: J1.39 U1.K5
HDMI_D0_P: J1.41 U1.K6
HDMI_D1_N: J1.46 U1.J3
HDMI_D1_P: J1.48 U1.J4
HDMI_D2_N: J1.40 U1.K3
HDMI_D2_P: J1.42 U1.K4
HDMI_DDC: R24.1 R26.2 U1.K2
HDMI_HPD: C74.2 J1.43 R21.1 U1.K1
HDMI_RESREF: R30.2 U1.J1
I2C1_SCL: J2.14 R47.1 U1.N5
I2C1_SDA: J2.12 R46.1 U1.N6
I2C2_SCL: J1.36 R28.1 U1.U5
I2C2_SDA: J1.38 R29.1 U1.T7
I2C3_SCL: J2.19 R31.1 R157.2 U1.F21
I2C3_SDA: J2.17 R32.1 R156.2 U1.D24
I2C4_SCL: J1.35 R45.1 R157.1 U1.E15
I2C4_SDA: J1.37 R44.1 R156.1 U1.D16
JTAG_MOD: R61.2 U1.H6
JTAG_NTRST: J2.41 R62.1 U1.C2
JTAG_TCK: J2.43 R92.2
JTAG_TCK_R: R92.1 U1.H5
JTAG_TDI: J2.47 R90.2
JTAG_TDI_R: R63.1 R90.1 U1.G5
JTAG_TDO: J2.45 R161.2
JTAG_TDO_R: R161.1 U1.G6
JTAG_TMS: J2.49 R64.1 U1.C3
LED1: R82.1 R94.1 U8.17
LED2: R81.1 R102.2 U8.15
LGATE1_2V5: Q6.4 U13.18
LGATE1_3V3: Q3.4 U11.18
LGATE2_1V5: Q7.4 U13.23
LGATE2_1V375: Q4.4 U11.23
LVDS0_CABC: J2.6 R33.1 U1.A17
LVDS0_CLK_N: J2.13 U1.V4
LVDS0_CLK_P: J2.15 U1.V3
LVDS0_PWM: J2.5 U1.F18
LVDS0_TX0_N: J2.2 U1.U2
LVDS0_TX0_P: J2.4 U1.U1
LVDS0_TX1_N: J2.8 U1.U4
LVDS0_TX1_P: J2.10 U1.U3
LVDS0_TX2_N: J2.1 U1.V2
LVDS0_TX2_P: J2.3 U1.V1
LVDS0_TX3_N: J2.7 U1.W2
LVDS0_TX3_P: J2.9 U1.W1
NETC88_1: C88.1 U6.4
NETC211_2: C211.2 R122.1
NETC212_1: C212.1 R121.2
NETC230_2: C230.2 R145.1
NETC231_1: C231.1 R146.2
NETD2_1: D2.1 Q1.3
NETD2_2: D2.2 R113.1
NETD3_1: D3.1 Q2.3
NETD3_2: D3.2 R114.1
NETQ5_1: Q5.1 Q8.3 R131.1
NETR106_1: R106.1 U12.8
NETR109_2: R109.2 U10.7
NETR110_1: R110.1 U10.3
NETR121_1: R121.1 U11.24
NETR122_2: R122.2 U11.17
NETR124_1: R124.1 U11.31
NETR125_2: R125.2 U11.12
NETR128_1: R128.1 R133.2 U11.2
NETR145_2: R145.2 U13.17
NETR146_1: R146.1 U13.24
NETR148_1: R148.1 U13.31
NETR149_2: R149.2 U13.12
NETR152_1: R152.1 R155.2 U13.2
ON_5V_LDO: R127.1 U11.4
ON_5V_LDO_2: R151.1 U13.4
ON_OFF: J1.6 R48.1 U1.D12
PCIE_C_TX_N: C63.1 U1.A3
PCIE_C_TX_P: C65.1 U1.B3
PCIE_REXT: R15.2 U1.A2
PCIE_RX_N: J2.52 U1.B1
PCIE_RX_P: J2.54 U1.B2
PCIE_TX_N: C63.2 J2.51
PCIE_TX_P: C65.2 J2.53
PCIE_WAKE: J2.39 U1.P3
PHASE1_2V5: C230.1 L4.2 Q6.5 Q6.6 Q6.7 U13.16
PHASE1_3V3: C211.1 L1.2 Q3.5 Q3.6 Q3.7 U11.16
PHASE2_1V5: C231.2 L5.1 Q7.5 Q7.6 Q7.7 U13.25
PHASE2_1V375: C212.2 L2.1 Q4.5 Q4.6 Q4.7 U11.25
PMIC_ON_REQ: Q8.1 R73.1 U1.D11
PMIC_STBY_REQ: TP3.1 U1.F11
POK_1V5: R164.1 U13.14
POK_1V5_R: R154.1 R164.2 U13.28
POK_1V375: R108.1 U13.27
POK_1V375_R: R108.2 R130.1 U11.28
POK_2V5: R163.1 U11.14
POK_2V5_R: R153.1 R163.2 U13.13
POK_3V0_SNVS: R93.1 U12.7
POK_3V3: Q1.1 R107.1 U6.3 U7.4 U9.9
POK_3V3_R: R107.2 R129.1 U11.13
POR_BN: D1.1 R60.1 R70.1 U1.C11 U6.1
REFIN2_1V5: R134.1 R135.1 R158.2 U13.32
REFIN2_1V375: R119.1 R120.2 R136.2 U11.32
RGMII_INT: R88.2 R89.1 U1.W22 U8.38
RGMII_INT_R: R88.1 U1.V21
RGMII_MDC: R85.1 R87.1 U1.V20
RGMII_MDIO: R86.1 R162.1 U1.V23
RGMII_R_MDC: R85.2 U8.36
RGMII_R_MDIO: R86.2 U8.37
RGMII_R_RXCLK: R83.2 R101.2 U8.35
RGMII_R_TXCLK: R35.1 U1.D21
RGMII_RSTN: D1.2 R65.2 R75.1 U8.42
RGMII_RSTN_R: R65.1 U1.U21
RGMII_RXCLK: R83.1 U1.B25
RGMII_RXD0: R98.1 U1.C24 U8.32
RGMII_RXD1: R97.1 U1.B23 U8.31
RGMII_RXD2: R96.1 U1.B24 U8.28
RGMII_RXD3: R95.1 U1.D23 U8.27
RGMII_RXDV: R91.1 U1.D22 U8.33
RGMII_TXCLK: R35.2 U8.24